# Altium PCB PCB_Project.PcbDoc (part 2 of 4)
Units mm, origin at the board's own origin, x right, y up, seen from the top; angles counter-clockwise.
Board outline 170.43 x 170.05 mm, 4 copper layers (Top Layer, Inner Layer1, Inner Layer2, Bottom Layer), stack 0.551 mm thick; 181 components, 248 nets, 1695 pads, 510 vias.
Unrouted connection lines stored in the file: 313.
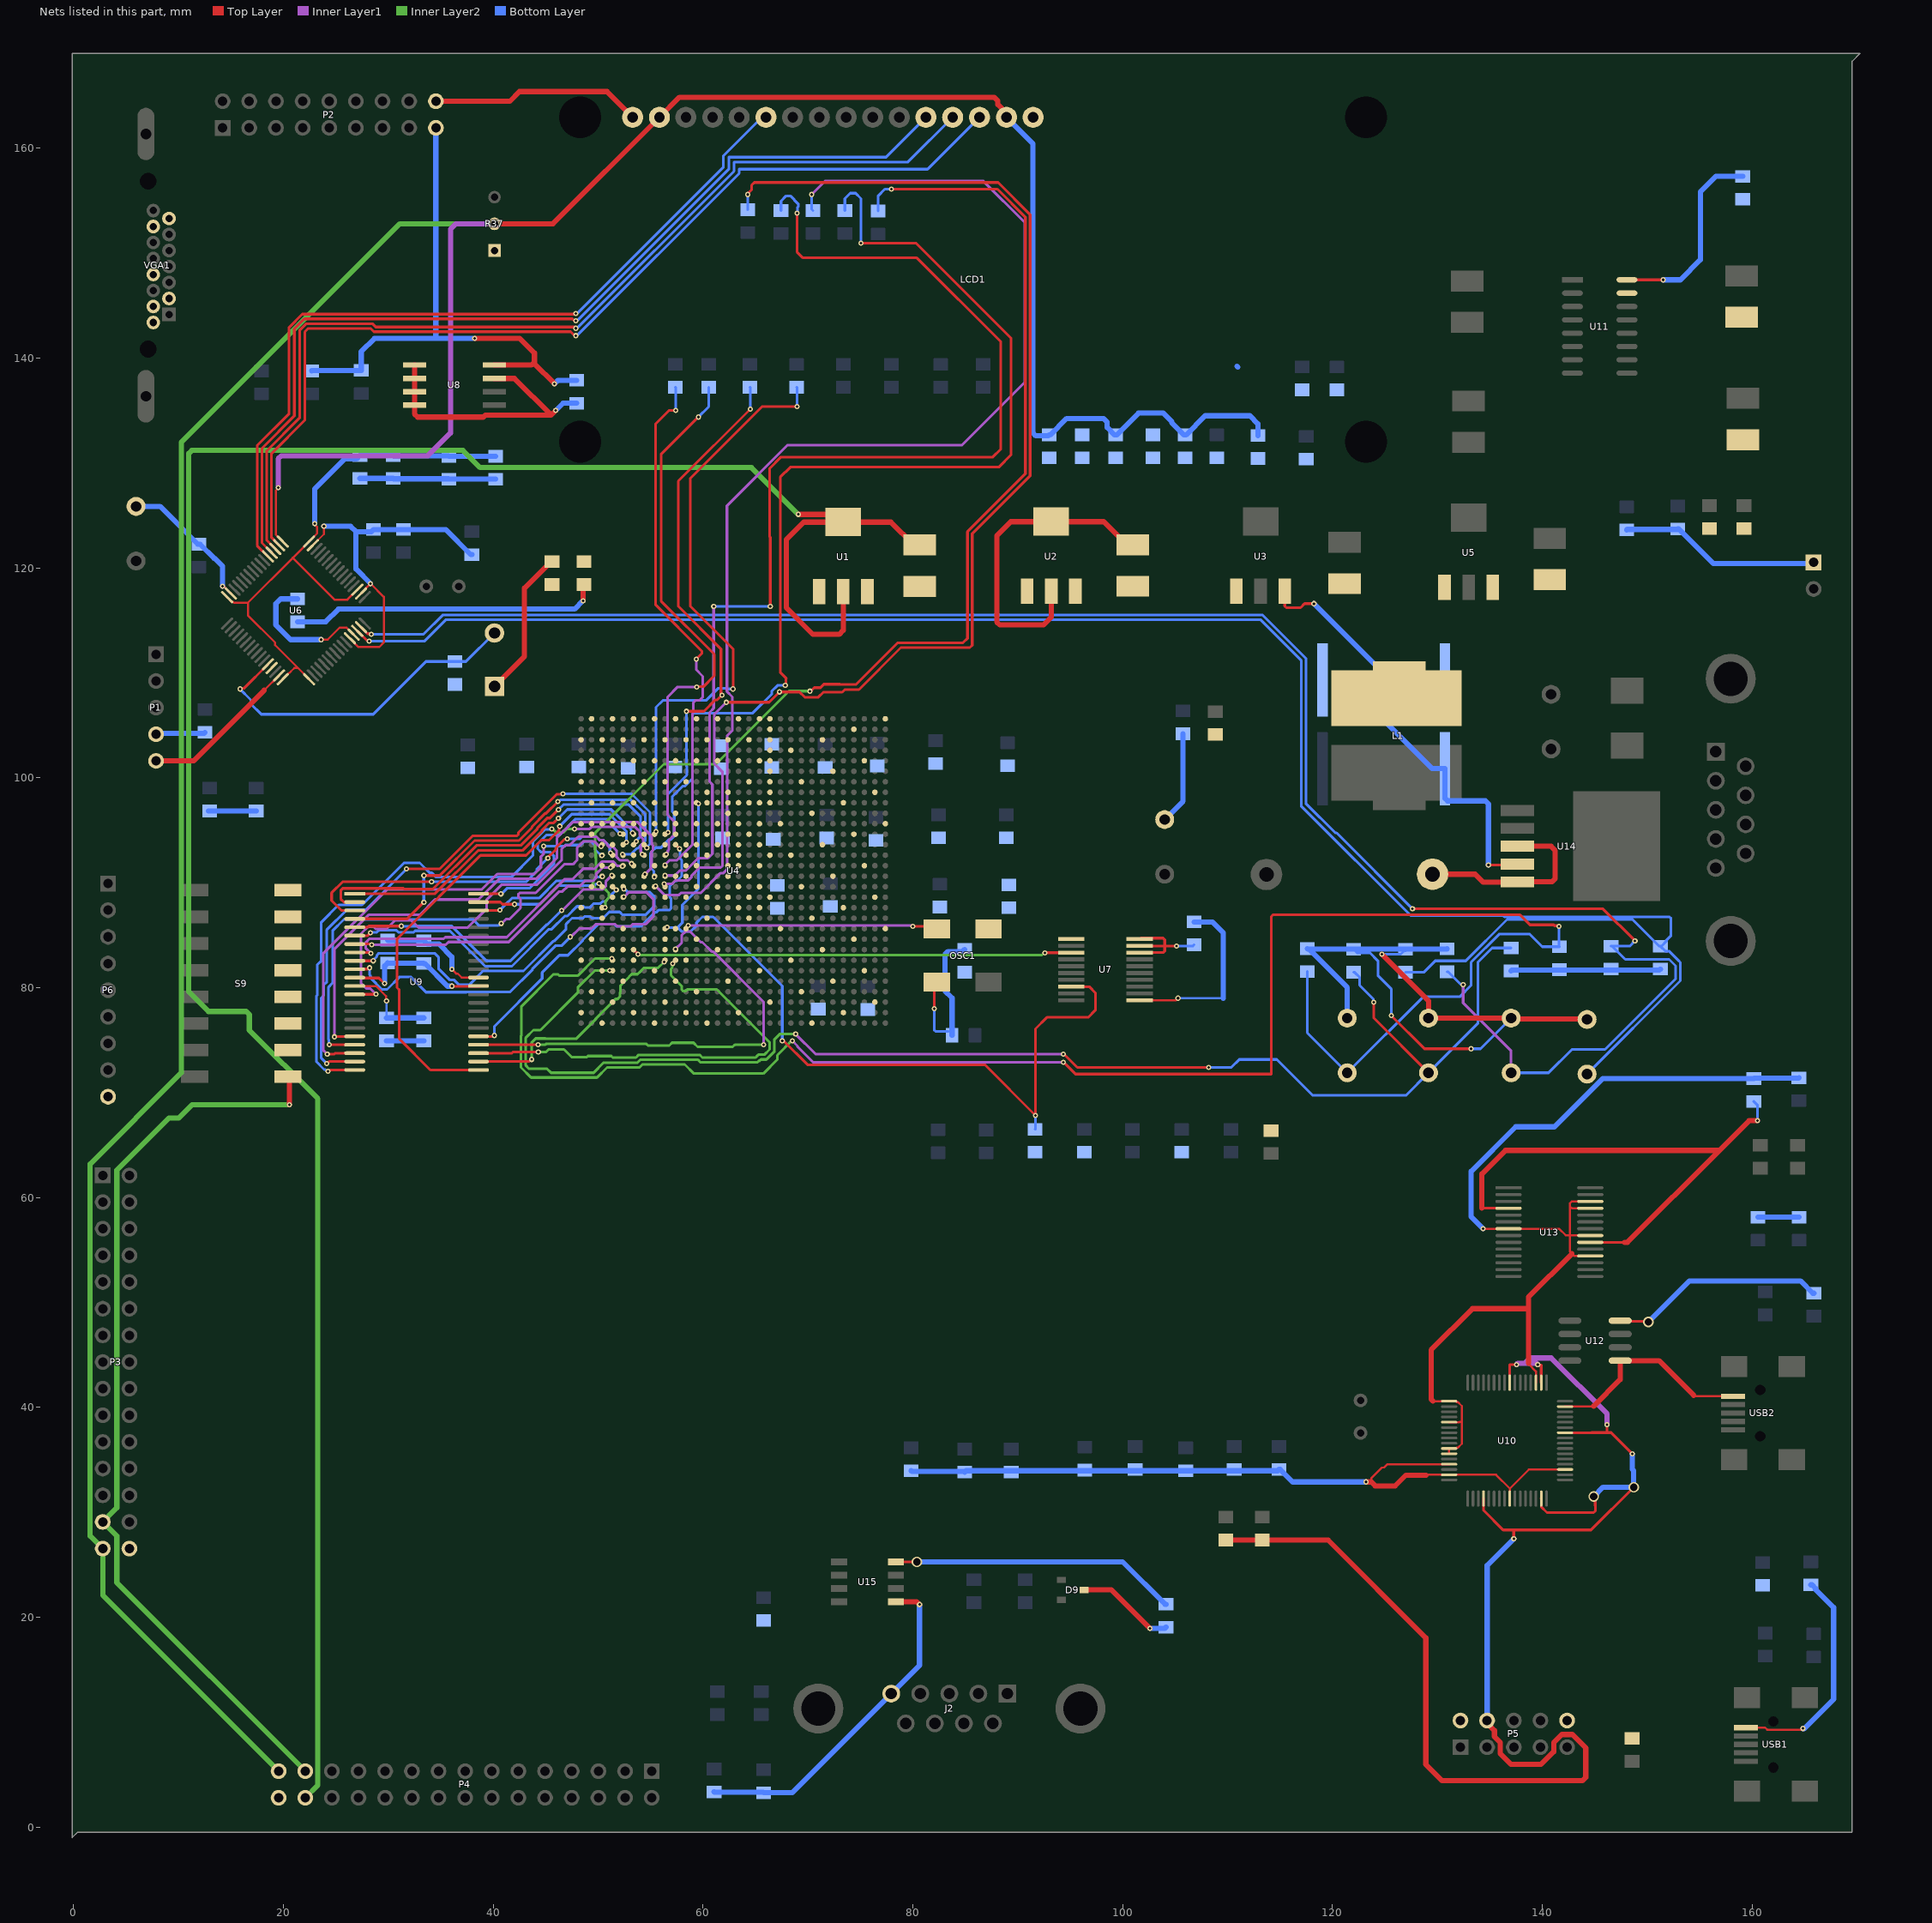
[diagram p4: the nets of this part, all layers, seen from the top]

## Via types
v1: diameter 0.5, hole 0.25, Top Layer to Bottom Layer, 482 vias
v2: diameter 1, hole 0.711, Top Layer to Bottom Layer, 28 vias

## Nets (pads, with @x,y where several pads share a name; then routed paths per layer and width w, separated by ;. In a path a pad name is that pad's centre, name@x,y a point inside that pad or via, vN(x,y) a via of type N, cw(c..) or ccw(c..) an arc to the next point about the centre after c; other vN are vias at no path point) (continued)
2V5: C1.1 C5.2 D1.1 P4.28 U1.2 | length 232.2
  Top Layer w0.5: v1(69.088,125.095) 72.635,125.095 U1.2@73.372,124.358 ; U1.2@73.372,117.729 73.372,114.051 72.986,113.665 70.485,113.665 67.945,116.205 67.945,122.682 69.621,124.358 U1.2@73.372,124.358 ; C1.1@80.645,122.174 80.095,122.174 77.911,124.358 U1.2@73.372,124.358
  Inner Layer2 w0.5: P4.28@22.098,2.794 23.298,3.994 23.298,69.412 16.764,75.946 16.764,77.431 16.471,77.724 12.866,77.724 10.987,79.603 10.987,130.898 11.28,131.191 37.136,131.191 38.768,129.559 64.624,129.559 v1(69.088,125.095)
3V3: C2.1 C7.2 C11.2 C14.2 C17.1 C18.1 C19.2 C20.2 C21.2 C22.1 C23.1 C24.1 C25.1 C27.1 C28.2 C30.1 C35.2 C36.2 C37.2 C38.2 C44.1 C52.1 D2.1 F1.1 F3.2 F4.1 OSC1.4 P1.4 P2.17 P3.27 P4.27 P5.4 R15.1 R17.1 R25.2 R27.2 R28.2 R31.2 R34.1 R36.1 R40.2 R44.2 R48.1 S1.2 S2.2 S3.2 S4.2 S5.1 S9.9 S9.10 S9.11 S9.12 S9.13 S9.14 S9.15 S9.16 U2.2 U4.AA16 U4.AA26 U4.AB13 U4.AB23 U4.AC30 U4.AD17 U4.AD27 U4.AE14 U4.AE24 U4.AF21 U4.AG18 U4.AG28 U4.AH15 U4.AH25 U4.AJ12 U4.AJ22 U4.AK19 U4.AK29 U4.R9 U4.T9 U4.U9 U4.V9 U4.W22 U4.Y13 U4.Y15 U4.Y29 U6.1 U6.19 U6.32 U6.48 U6.64 U7.18 U7.19 U7.20 U8.8 U9.11 U9.33 U10.20 U10.31 U10.42 U10.50 U10.56 U11.16 | length 530
  Top Layer w0.2: U6.48@14.651,117.206 15.12,116.737 15.226,116.737 15.288,116.675 16.63,116.675 ; U6.64@19.954,109.393 19.967,109.393 20.587,110.012 20.614,110.012 20.731,110.129 21.062,110.46 21.396,110.46 ; U6.1@22.464,109.393 21.396,110.46 ; v1(22.987,124.206) 22.987,124.125 23.224,123.888 23.224,123.27 U6.32@22.464,122.509 20.907,120.952 ; U6.19@27.06,117.913 26.114,116.967 24.892,116.967 20.907,120.952 ; 16.63,116.675 16.63,115.466 19.219,112.877 19.219,112.638 21.396,110.46 ; 16.63,116.675 20.907,120.952
  Top Layer w0.254: U9.11@26.924,80.925 26.937,80.912 29.108,80.912 29.614,80.406 v1(29.674,80.406) ; v1(36.068,80.137) 36.074,80.131 38.718,80.131 U9.33@38.724,80.125 ; v1(82.042,77.978) OSC1.4@82.042,80.264 ; U7.18@101.627,83.337 103.864,83.337 104.013,83.486 104.013,83.967 ; U7.19@101.627,83.987 101.647,83.967 104.013,83.967 ; U7.20@101.754,84.712 103.864,84.712 104.013,84.563 104.013,83.967 ; v1(105.156,83.947) 105.136,83.967 104.013,83.967 ; v1(125.603,77.343) 128.778,74.168 v1(133.223,74.168) ; U10.20@134.402,31.305 134.402,30.19 136.271,28.321 137.287,28.321 ; U10.56@136.902,42.355 136.902,44.065 137.537,44.065 v1(137.541,44.069) ; v1(137.287,27.471) 137.287,28.321 ; v1(139.573,44.069) 139.619,44.023 139.902,44.023 U10.50@139.902,42.355 ; U10.31@139.902,31.305 139.904,31.303 139.904,30.514 140.446,29.972 144.907,29.972 145.056,30.121 145.056,30.633 145.05,30.639 145.05,31.353 v2(144.907,31.496) ; U10.42@142.177,37.58 144.685,37.58 144.697,37.592 146.177,37.592 ; v1(146.177,38.354) 146.177,37.592 ; U11.16@148.075,147.447 v1(151.511,147.447) ; v1(148.59,35.56) 146.558,37.592 146.177,37.592 ; v2(148.717,32.385) 144.653,28.321 137.287,28.321
  Top Layer w0.5: S9.9@20.447,71.501 20.574,71.374 v1(20.574,68.834) ; v1(38.227,141.859) 42.545,141.859 43.942,140.462 43.942,139.612 ; U8.8@40.128,139.319 43.649,139.319 43.942,139.612 ; S5.1@40.132,108.712 42.988,111.568 42.988,118.068 45.518,120.599 F1.1@45.618,120.599 ; v1(45.847,137.541) 43.942,139.446 43.942,139.612 ; U2.2@93.201,117.768 93.201,115.299 92.456,114.554 88.304,114.554 88.011,114.847 88.011,123.063 89.345,124.397 U2.2@93.201,124.397 98.203,124.397 100.417,122.183 C2.1@100.967,122.183 ; F4.1@109.83,27.356 F3.2@113.309,27.356 119.583,27.356 128.905,18.034 128.905,5.969 130.429,4.445 143.852,4.445 144.145,4.738 144.145,7.539 142.864,8.82 141.87,8.82 141.097,8.047 141.097,7.193 139.873,5.969 137.033,5.969 135.986,7.016 135.986,8.078 135.44,8.624 135.44,9.196 134.747,9.889 P5.4@134.747,10.16 ; v1(124.714,83.185) 129.159,78.74 S2.2@129.159,77.089 S3.2@137.033,77.089 137.096,77.025 144.208,77.025 S4.2@144.272,76.962
  Inner Layer1 w0.5: v1(137.541,44.069) 137.668,44.196 138.342,44.196 ; v1(139.573,44.069) 139.446,44.196 138.342,44.196 ; v1(146.177,38.354) 146.177,39.379 140.852,44.704 138.85,44.704 138.342,44.196
  Inner Layer2 w0.5: v1(20.574,68.834) 11.303,68.834 10.033,67.564 9.098,67.564 4.134,62.6 4.134,30.423 P3.27@2.794,29.083 4.134,27.743 4.134,23.298 P4.27@22.098,5.334
  Bottom Layer w0.254: v1(82.042,77.978) 82.042,75.968 82.191,75.819 R44.2@83.388,75.819 ; v1(105.156,83.947) 106.68,83.947 C20.2@106.807,84.074 ; C18.1@122.022,83.642 122.352,83.312 123.571,83.312 124.333,82.55 124.333,81.153 125.603,79.883 v1(125.603,77.343) ; v1(124.714,83.185) 126.517,83.185 C27.1@126.975,83.642 ; v1(133.223,74.168) 134.112,74.168 S3.2@137.033,77.089
  Bottom Layer w0.5: P1.4@7.874,104.14 7.963,104.229 12.459,104.229 R31.2@12.548,104.318 ; R15.1@12.879,96.825 R15.1@12.979,96.825 R17.1@17.424,96.825 ; R36.1@22.708,138.76 22.733,138.786 27.407,138.786 R34.1@27.432,138.811 27.432,140.606 28.685,141.859 34.544,141.859 ; v1(22.987,124.206) 22.987,127.508 25.855,130.376 26.973,130.376 C21.2@27.305,130.708 C22.1@30.48,130.708 30.518,130.67 35.75,130.67 C23.1@35.789,130.632 C24.1@40.234,130.632 ; v1(29.674,80.406) 29.674,82.074 C38.2@29.947,82.347 29.972,82.321 33.376,82.321 C37.2@33.401,82.296 33.501,82.296 35.66,80.137 v1(36.068,80.137) ; C35.2@29.845,74.93 C36.2@33.401,74.93 ; P2.17@34.544,161.925 34.544,141.859 ; v1(38.227,141.859) 34.544,141.859 ; v1(45.847,137.541) 46.177,137.871 C30.1@47.981,137.871 ; R44.2@83.744,75.463 83.744,79.012 83.058,79.698 83.058,83.146 83.351,83.439 84.734,83.439 C52.1@84.938,83.642 ; 110.909,139.205 110.973,139.141 ; C17.1@117.602,83.718 117.64,83.68 C17.1@117.74,83.68 ; S1.2@121.412,77.089 121.412,80.008 C17.1@117.74,83.68 ; C25.1@130.937,83.693 130.912,83.668 127,83.668 C27.1@126.975,83.642 126.936,83.68 C17.1@117.74,83.68 ; P5.4@134.747,10.16 134.747,24.931 v1(137.287,27.471) ; v2(144.907,31.496) 145.796,32.385 v2(148.717,32.385) 148.717,33.977 148.59,34.104 v1(148.59,35.56) ; v1(151.511,147.447) 153.162,147.447 155.067,149.352 155.067,155.829 156.54,157.302 C44.1@159.106,157.302
3V3A: C26.2 F1.2 U6.13 | length 13
  Top Layer w0.2: v1(23.622,113.157) 24.234,113.157 25.377,114.3 26.028,114.3 26.693,113.635 U6.13@26.707,113.635
  Bottom Layer w0.5: C26.2@21.361,117.043 19.761,117.043 19.304,116.586 19.304,114.554 20.701,113.157 v1(23.622,113.157)
5V: C72.1 U15.8 | length 27.4
  Top Layer w0.254: U15.8@78.404,25.273 v2(80.391,25.273)
  Bottom Layer w0.5: v2(80.391,25.273) 100.001,25.273 104.04,21.234 C72.1@104.14,21.234
A0: U4.AE12 U9.1 | length 31.1
  Top Layer w0.254: U9.1@26.808,88.95 34.467,88.95 38.573,93.056 42.791,93.056 44.674,94.939 44.674,95.02 45.354,95.7 45.775,95.7 46.214,96.139 v1(46.228,96.139) ; v1(53.302,94.726) 53.302,94.702 U4.AE12@53.389,94.615
  Bottom Layer w0.254: v1(46.228,96.139) 47.063,96.974 51.26,96.974 53.159,95.075 53.159,94.936 53.302,94.792 v1(53.302,94.726)
A1: U4.AE13 U9.2 | length 37.7
  Top Layer w0.254: U9.2@26.808,88.15 25.777,88.15 25.481,88.446 25.481,89.26 25.673,89.452 31.452,89.452 31.496,89.408 34.283,89.408 38.427,93.552 42.645,93.552 44.22,95.127 44.22,95.208 45.166,96.154 45.421,96.154 v1(46.229,96.962) ; U4.AE13@53.389,93.615 53.389,93.645 53.637,93.893 v1(53.637,93.923)
  Bottom Layer w0.254: v1(46.229,96.962) 46.695,97.428 52.947,97.428 54.049,96.326 54.049,94.401 53.637,93.989 v1(53.637,93.923)
A2: U4.AG14 U9.3 | length 33.6
  Top Layer w0.254: U9.3@26.808,87.35 25.553,87.35 24.616,88.287 24.616,89.038 25.652,90.074 v1(34.132,90.074) ; v1(45.212,92.329) 45.212,92.395 45.96,93.143 45.96,93.286 46.819,94.145 47.07,94.145 v1(47.084,94.159) ; v1(51.181,92.837) 51.181,92.83 51.389,92.622 U4.AG14@51.389,92.615
  Bottom Layer w0.254: v1(34.132,90.074) 43.149,90.074 44.157,91.081 44.157,91.274 v1(45.212,92.329) ; v1(47.084,94.159) 48.249,94.159 48.466,94.376 49.842,94.376 50.18,94.038 50.531,94.038 51.134,93.435 51.134,92.884 v1(51.181,92.837)
A3: U4.AF14 U9.4 | length 39.8
  Top Layer w0.254: U9.4@26.808,86.55 31.813,86.55 v1(33.401,88.138) ; v1(33.401,90.678) 34.911,90.678 38.239,94.006 42.457,94.006 43.718,95.266 43.718,95.348 44.978,96.608 45.059,96.608 v1(46.171,97.72) ; v1(52.335,92.71) 52.335,92.669 U4.AF14@52.389,92.615
  Bottom Layer w0.254: v1(33.401,88.138) v1(33.401,90.678) ; v1(46.171,97.72) 46.237,97.72 46.399,97.882 53.135,97.882 54.503,96.514 54.503,93.975 54.074,93.546 54.074,93.544 53.808,93.278 53.721,93.278 53.153,92.71 v1(52.335,92.71)
A4: U4.AG16 U9.5 | length 29.7
  Top Layer w0.254: U9.5@26.808,85.75 26.826,85.768 28.056,85.768 28.145,85.857 v1(31.237,85.857) ; v1(51.308,90.689) 51.382,90.615 U4.AG16@51.389,90.615
  Inner Layer1 w0.254: v1(46.529,87.354) 46.594,87.354 48.593,89.353 50.201,89.353 50.208,89.361 50.458,89.361 50.731,89.634 50.731,90.101 51.308,90.678 v1(51.308,90.689)
  Bottom Layer w0.254: v1(31.237,85.857) 31.242,85.852 32.368,85.852 32.378,85.861 36.059,85.861 39.37,82.55 41.661,82.55 45.125,86.014 45.189,86.014 v1(46.529,87.354)
A5: U4.AD16 U9.18 | length 51.4
  Top Layer w0.254: v1(24.892,75.311) 24.913,75.332 26.79,75.332 U9.18@26.808,75.35 ; U4.AD16@54.389,90.615 54.389,90.711 v1(54.483,90.805)
  Inner Layer1 w0.254: v1(24.892,75.311) 24.892,83.686 28.138,86.931 33.01,86.931 34.471,88.392 38.608,88.392 40.581,90.365 44.107,90.365 46.08,92.338 46.08,94.267 47.57,95.757 53.795,95.757 55.113,94.439 55.113,93.678 55.228,93.563 55.228,93.073 55.103,92.949 55.103,91.425 v1(54.483,90.805)
A6: U4.AH13 U9.19 | length 45.2
  Top Layer w0.254: v1(24.384,74.549) U9.19@26.808,74.55 ; v1(50.292,93.461) 50.389,93.558 U4.AH13@50.389,93.615
  Inner Layer1 w0.254: v1(40.767,86.106) 40.805,86.106 41.232,86.533 41.568,86.533 42.616,87.581 42.616,88.448 42.396,88.668 42.396,88.878 42.545,89.027 44.053,89.027 46.778,91.752 47.61,91.752 48.006,92.148 48.006,93.345 48.583,93.922 49.654,93.922 50.068,93.508 50.245,93.508 v1(50.292,93.461)
  Bottom Layer w0.254: v1(24.384,74.549) 24.337,74.596 24.337,75.05 24.315,75.072 24.315,80.047 24.707,80.439 24.707,85.413 25.781,86.487 38.1,86.487 38.677,85.91 40.504,85.91 40.7,86.106 v1(40.767,86.106)
A7: U4.AH14 U9.20 | length 45.2
  Top Layer w0.254: v1(24.199,73.66) 24.867,73.66 24.957,73.75 U9.20@26.808,73.75 ; v1(50.361,92.589) 50.363,92.589 U4.AH14@50.389,92.615
  Inner Layer1 w0.254: v1(24.199,73.66) 24.197,73.66 23.807,74.05 23.807,83.243 29.912,89.348 38.922,89.348 40.393,90.819 43.919,90.819 44.558,91.459 44.558,92.491 44.831,92.764 v1(44.831,93.472)
  Bottom Layer w0.254: v1(44.831,93.472) 46.809,93.472 46.919,93.582 48.314,93.582 48.654,93.922 49.377,93.922 49.715,93.584 49.715,93.36 49.715,93.165 49.885,92.995 49.888,92.995 50.294,92.589 v1(50.361,92.589)
A8: U4.AD13 U9.21 | length 56.9
  Top Layer w0.254: v1(24.13,72.771) 24.197,72.771 24.376,72.95 U9.21@26.808,72.95 ; v1(31.75,91.313) 34.904,91.313 38.051,94.46 42.269,94.46 42.418,94.609 42.418,94.783 46.046,98.412 46.609,98.412 v1(46.656,98.459) ; U4.AD13@54.389,93.615 54.389,93.592 54.651,93.33 v1(54.651,93.307)
  Bottom Layer w0.254: v1(24.13,72.771) 23.622,73.279 23.622,79.015 23.861,79.254 23.861,80.235 24.13,80.504 24.13,85.478 26.082,87.43 27.867,87.43 v1(31.75,91.313) ; v1(46.656,98.459) 53.2,98.459 54.957,96.702 54.957,93.68 54.651,93.374 v1(54.651,93.307)
A9: U4.AD14 U9.22 | length 56.7
  Top Layer w0.254: v1(24.257,72.009) 24.324,72.009 24.465,72.15 U9.22@26.808,72.15 ; v1(54.229,92.71) 54.324,92.615 U4.AD14@54.389,92.615
  Inner Layer1 w0.254: v1(47.752,95.123) 49.204,95.123 49.384,95.303 53.541,95.303 53.721,95.123 53.975,94.869 53.975,94.488 54.292,94.171 54.292,93.765 54.074,93.546 54.074,92.932 54.229,92.777 v1(54.229,92.71)
  Inner Layer2 w0.254: v1(45.593,95.123) 45.66,95.123 45.983,94.8 46.739,94.8 47.062,95.123 v1(47.752,95.123)
  Bottom Layer w0.254: v1(24.257,72.009) 24.19,72.009 24.005,72.194 23.891,72.194 23.168,72.917 23.168,79.203 23.228,79.263 23.228,82.156 23.622,82.55 23.622,86.233 25.273,87.884 27.505,87.884 31.511,91.89 33.005,91.89 33.963,90.932 34.163,90.932 34.567,90.528 41.73,90.528 43.8,92.598 43.8,93.899 44.977,95.076 45.546,95.076 v1(45.593,95.123)
A10: U4.AF13 U9.23 | length 47.1
  Top Layer w0.254: U9.23@38.608,72.15 34.022,72.15 31.057,75.115 31.057,79.773 30.842,79.988 30.842,84.645 38.799,92.602 43.145,92.602 44.592,94.049 45.335,94.049 46.308,95.022 46.308,95.33 v1(46.355,95.377) ; U4.AF13@52.389,93.615 U4.AF13@52.428,93.615
  Bottom Layer w0.254: v1(46.355,95.377) 47.498,96.52 51.072,96.52 52.705,94.887 v1(52.705,93.853)
A11: U4.AB24 U9.24 | length 23.4
  Top Layer w0.254: U9.24@38.608,72.95 43.419,72.95 43.621,73.152 v1(43.688,73.152) ; v1(56.299,82.448) 56.389,82.538 U4.AB24@56.389,82.615
  Inner Layer2 w0.254: v1(43.688,73.152) 43.688,74.784 44.052,75.147 44.989,75.147 45.021,75.115 47.915,75.115 49.784,76.984 49.784,77.027 51.671,78.915 51.864,78.915 52.091,79.142 52.091,79.526 52.139,79.574 52.139,80.181 52.959,81.001 52.959,81.026 53.213,81.28 53.775,81.28 54.029,81.534 54.029,81.535 54.367,81.873 55.724,81.873 v1(56.299,82.448)
A12: U4.AA24 U9.25 | length 43.5
  Top Layer w0.254: U9.25@38.608,73.75 41.779,73.75 41.878,73.849 v1(44.312,73.849) ; v1(57.13,82.281) 57.13,82.319 57.389,82.578 U4.AA24@57.389,82.615
  Inner Layer2 w0.254: v1(44.312,73.849) 45.027,73.849 45.29,74.112 46.754,74.112 47.489,73.378 48.953,73.378 49.05,73.475 51.263,73.475 51.401,73.337 53.614,73.337 53.868,73.59 59.692,73.59 59.945,73.337 65.017,73.337 65.159,73.479 65.162,73.479 65.289,73.606 65.859,73.606 66.363,74.11 66.363,74.788 61.337,79.814 58.503,79.814 58.34,79.652 58.13,79.652 57.981,79.8 57.981,80.141 56.954,81.168 56.954,81.773 57.083,81.902 57.083,82.234 v1(57.13,82.281)
A13: U4.AA23 U9.26 | length 44.1
  Top Layer w0.254: U9.26@38.608,74.55 38.618,74.56 44.28,74.56 v1(44.291,74.57) ; U4.AA23@57.389,83.615 v1(57.389,83.682)
  Inner Layer1 w0.254: v1(57.389,83.682) 57.981,84.274 57.981,84.995 58.319,85.333 58.797,85.333 59.802,84.328 59.944,84.328 60.833,83.439 60.974,83.439 65.786,78.627 v1(65.786,74.549)
  Inner Layer2 w0.254: v1(44.291,74.57) 44.312,74.549 44.959,74.549 45.039,74.629 54.614,74.629 54.763,74.48 56.8,74.48 57.065,74.744 59.102,74.744 59.494,74.353 62.839,74.353 63.035,74.549 v1(65.786,74.549)
A14: U4.AA13 U9.27 | length 31.4
  Top Layer w0.254: U9.27@38.608,75.35 39.977,75.35 40.065,75.438 v1(40.132,75.438) ; U4.AA13@57.389,93.615 v1(57.785,93.218)
  Bottom Layer w0.254: v1(40.132,75.438) 40.132,76.32 44.678,80.866 44.678,81.435 46.318,83.075 47.141,83.075 48.534,84.468 48.534,84.529 50.053,86.048 51.547,86.048 51.771,85.824 54.067,85.824 55.419,87.176 55.56,87.176 55.76,87.376 56.801,87.376 56.95,87.525 56.95,88.524 56.827,88.647 56.827,89.647 57.35,90.17 57.531,90.17 57.981,90.62 57.981,92.142 57.807,92.316 57.807,93.196 v1(57.785,93.218)
A15: U4.AH16 U9.42 | length 13.1
  Top Layer w0.254: U9.42@38.608,87.35 38.621,87.363 40.627,87.363 v1(40.64,87.376)
  Bottom Layer w0.254: v1(40.64,87.376) 41.154,87.89 41.173,87.89 41.802,88.519 44.382,88.519 46.046,90.184 49.475,90.184 49.838,90.546 50.357,90.546 v1(50.404,90.593)
A16: U4.AH17 U9.43 | length 12.8
  Top Layer w0.254: U9.43@38.608,88.15 40.688,88.15 40.896,87.942 42.037,87.942 v1(42.039,87.94) ; v1(50.115,89.93) 50.115,89.91 50.389,89.635 U4.AH17@50.389,89.615
  Bottom Layer w0.254: v1(42.039,87.94) 42.041,87.942 44.447,87.942 46.234,89.73 49.664,89.73 49.817,89.883 50.068,89.883 v1(50.115,89.93)
A17: U4.AF12 U9.44 | length 21.3
  Top Layer w0.254: U9.44@38.608,88.95 40.728,88.95 v1(40.751,88.927) ; v1(52.103,94.655) 52.123,94.635 52.369,94.635 U4.AF12@52.389,94.615
  Bottom Layer w0.254: v1(40.751,88.927) 40.809,88.927 41.363,89.481 43.507,89.481 45.789,91.763 45.789,92.568 45.451,92.906 45.081,92.906 45.07,92.895 44.592,92.895 44.254,93.233 44.254,93.711 45.089,94.546 46.34,94.546 47.86,96.066 50.866,96.066 51.461,95.471 51.461,95.297 v1(52.103,94.655)
BLUE0: R7.2 U4.AC16 | length 107.7
  Top Layer w0.254: v1(55.372,90.551) 55.389,90.568 U4.AC16@55.389,90.615 ; v1(67.849,108.798) 67.896,108.845 67.896,109.425 67.945,109.474 67.368,110.051 67.368,128.636 68.326,129.594 88.199,129.594 89.354,130.749 89.354,141.913 80.322,150.945 v1(75.057,150.945)
  Bottom Layer w0.254: v1(55.372,90.551) 55.325,90.598 55.325,91.106 54.991,91.44 54.991,92.831 55.182,93.022 55.182,93.027 55.494,93.34 56.002,93.34 56.769,94.107 56.932,94.107 57.265,94.44 57.265,96.577 57.081,96.761 57.081,98.207 58.061,99.187 58.272,99.187 58.998,99.914 58.998,106.008 59.147,106.157 64.755,106.157 66.548,107.95 66.548,108.235 67.111,108.798 v1(67.849,108.798) ; R7.2@73.533,154.051 73.533,155.194 74.041,155.702 74.549,155.702 75.057,155.194 v1(75.057,150.945)
BLUE1: R4.2 U4.AC17 | length 115.9
  Top Layer w0.254: U4.AC17@55.389,89.615 55.452,89.615 v1(55.499,89.662)
  Inner Layer1 w0.254: v1(55.499,89.662) 56.33,88.831 57.716,88.831 57.912,89.027 59.795,89.027 61.684,90.916 61.967,90.916 62.303,91.252 62.303,103.984 62.807,104.488 62.807,107.7 62.288,108.219 62.288,125.915 68.072,131.699 84.709,131.699 90.678,137.668 90.678,152.908 86.741,156.845 71.628,156.845 v1(70.358,155.575)
  Bottom Layer w0.254: v1(70.358,155.575) 70.358,154.178 R4.2@70.485,154.051
BLUE2: R3.2 U4.AB16 | length 111.5
  Top Layer w0.254: v1(56.388,90.678) 56.388,90.616 U4.AB16@56.389,90.615 ; v1(66.421,116.332) 66.421,122.912 66.367,122.966 66.367,129.479 67.444,130.556 87.63,130.556 88.392,131.318 88.392,141.533 80.388,149.537 69.538,149.537 68.961,150.114 v1(68.961,153.797)
  Inner Layer1 w0.254: v1(56.388,90.678) 57.331,90.678 57.812,91.159 58.393,91.159 59.563,92.329 60.484,92.329 60.902,92.747 60.902,99.355 60.633,99.624 60.633,106.233 61.029,106.629 v1(61.029,116.332)
  Bottom Layer w0.254: v1(61.029,116.332) v1(66.421,116.332) ; R3.2@67.437,154.051 67.437,154.94 67.945,155.448 68.326,155.448 69.088,154.686 69.088,154.432 69.008,154.352 69.008,153.844 v1(68.961,153.797)
BLUE3: R1.2 U4.AB17 | length 122.9
  Top Layer w0.254: v1(56.302,89.886) 56.345,89.842 56.345,89.659 U4.AB17@56.389,89.615 ; v1(62.23,107.188) 66.317,107.188 v1(67.304,108.175) 69.201,108.175 69.703,107.673 71.007,107.673 71.48,108.146 73.275,108.146 73.529,108.4 74.872,108.4 78.867,112.395 85.449,112.395 85.671,112.617 85.671,123.256 91.186,128.771 91.186,153.67 88.138,156.718 64.897,156.718 64.643,156.464 64.643,156.023 64.262,155.642 v1(64.262,155.575)
  Inner Layer1 w0.254: v1(56.302,89.886) 57.066,89.886 57.404,90.224 58.601,90.224 58.928,90.551 58.928,90.678 59.69,91.44 61.7,91.44 61.849,91.589 61.849,100.584 61.087,101.346 61.087,106.045 v1(62.23,107.188)
  Bottom Layer w0.254: v1(64.262,155.575) 64.262,154.153 R1.2@64.287,154.127
BOOT0: R32.2 S5.2 U6.60 | length 32.3
  Top Layer w0.254: v1(15.875,108.458) 15.922,108.505 16.238,108.505 U6.60@18.54,110.807
  Bottom Layer w0.254: v1(15.875,108.458) 16.915,107.418 16.915,107.037 17.907,106.045 28.575,106.045 33.604,111.074 R32.2@36.347,111.074 37.414,111.074 S5.2@40.132,113.792
BUT_RISE1: C17.2 R22.2 S1.1 U4.AG24 | length 175.9
  Top Layer w0.254: v1(51.308,82.769) 51.308,82.696 U4.AG24@51.389,82.615 ; v1(94.361,72.898) 95.504,71.755 114.173,71.755 114.173,86.777 114.322,86.926 137.883,86.926 138.83,85.979 141.097,85.979 141.177,85.899 141.558,85.899 v1(141.605,85.852)
  Inner Layer1 w0.254: v1(68.521,74.939) 69.019,74.441 69.019,74.364 70.485,72.898 v1(94.361,72.898)
  Inner Layer2 w0.254: v1(51.308,82.769) 49.716,82.769 48.1,81.153 46.3,81.153 46.204,81.249 45.726,81.249 42.704,78.228 42.704,75.456 42.657,75.408 42.657,72.398 43.627,71.428 49.9,71.428 50.868,72.396 53.957,72.396 54.244,72.682 58.266,72.682 59.143,71.805 65.754,71.805 67.088,73.139 67.088,73.551 68.476,74.939 v1(68.521,74.939)
  Bottom Layer w0.254: C17.2@117.602,81.534 117.602,75.692 S1.1@121.412,71.882 128.651,79.121 132.134,79.121 133.223,80.21 133.223,82.416 135.897,85.09 138.811,85.09 140.005,83.896 R22.2@141.63,83.896 141.605,83.922 v1(141.605,85.852)
BUT_RISE2: C18.2 R23.2 S2.1 U4.AG25 | length 135.3
  Top Layer w0.254: v1(51.104,81.615) U4.AG25@51.389,81.615 ; v1(94.361,73.66) 94.415,73.66 95.685,72.39 v1(108.204,72.39) ; v1(123.952,78.613) 123.952,77.089 S2.1@129.159,71.882
  Inner Layer1 w0.254: v1(68.834,75.565) 70.739,73.66 v1(94.361,73.66)
  Inner Layer2 w0.254: v1(51.104,81.615) 49.684,81.615 48.079,80.01 48.079,79.521 44.504,75.946 43.837,75.946 43.111,75.22 43.111,72.586 43.434,72.263 45.149,72.263 45.53,71.882 49.578,71.882 50.546,72.85 53.769,72.85 54.056,73.136 59.504,73.136 59.757,72.883 65.205,72.883 65.347,73.025 65.405,73.025 65.532,73.152 66.047,73.152 66.817,73.922 66.817,75.072 67.31,75.565 v1(68.834,75.565)
  Bottom Layer w0.254: v1(108.204,72.39) 110.363,72.39 111.125,73.152 114.703,73.152 118.132,69.723 127,69.723 S2.1@129.159,71.882 133.858,76.581 133.858,82.409 135.218,83.769 R23.2@137.033,83.769 ; C18.2@122.022,81.458 122.122,81.458 122.595,80.985 122.595,80.224 123.905,78.914 123.905,78.66 v1(123.952,78.613)
BUT_RISE3: C27.2 R30.2 S4.1 U6.14 | length 193.8
  Top Layer w0.254: U6.14@27.06,113.989 27.995,113.054 28.147,113.054 v1(28.194,113.007)
  Bottom Layer w0.254: v1(28.194,113.007) 33.437,113.007 35.474,115.044 113.168,115.044 117.021,111.191 117.021,97.301 127.454,86.868 136.271,86.868 136.398,86.741 152.124,86.741 152.273,86.592 152.273,84.963 151.83,84.52 151.83,84.42 151.357,83.947 R30.2@151.257,83.947 ; C27.2@126.975,81.458 128.702,81.458 129.794,82.55 132.715,82.55 136.652,86.487 148.617,86.487 151.157,83.947 R30.2@151.257,83.947 ; S4.1@144.272,71.755 153.162,80.645 153.162,82.401 153.013,82.55 152.089,83.474 151.73,83.474 R30.2@151.257,83.947
BUT_RISE4: C25.2 R29.2 S3.1 U6.15 | length 185.7
  Top Layer w0.254: U6.15@27.414,114.342 27.417,114.342 28.03,113.729 28.332,113.729 v1(28.379,113.682) ; v1(127.635,87.503) 145.796,87.503 v1(148.844,84.455)
  Inner Layer1 w0.254: v1(132.461,80.264) 132.461,78.535 137.033,73.963 S3.1@137.033,71.882
  Bottom Layer w0.254: v1(28.379,113.682) 33.381,113.682 35.197,115.498 113.356,115.498 117.475,111.379 117.475,97.536 120.269,94.742 120.396,94.742 v1(127.635,87.503) ; C25.2@130.937,81.509 131.037,81.509 132.235,80.311 132.414,80.311 v1(132.461,80.264) ; S3.1@137.033,71.882 140.604,71.882 142.83,74.108 145.983,74.108 152.708,80.833 152.708,82.074 152.092,82.69 147.915,82.69 R29.2@146.658,83.947 ; R29.2@146.558,83.947 R29.2@146.658,83.947 ; v1(148.844,84.455) 148.336,83.947 R29.2@146.658,83.947
CE: U4.AG17 U9.6 | length 30.3
  Top Layer w0.254: U9.6@26.808,84.95 28.054,84.95 28.321,85.217 v1(28.321,85.228) ; U4.AG17@51.389,89.615 51.412,89.615 51.722,89.305 v1(51.745,89.305)
  Bottom Layer w0.254: v1(28.321,85.228) 28.357,85.264 28.917,85.264 29.111,85.458 30.782,85.458 30.961,85.28 32.438,85.28 32.566,85.407 35.871,85.407 39.163,82.115 39.177,82.115 39.25,82.042 41.795,82.042 45.313,85.56 45.578,85.56 46.838,86.82 47.08,86.82 47.996,87.736 48.619,87.736 48.732,87.623 49.21,87.623 49.598,88.011 50.238,88.011 50.434,88.207 50.686,88.207 51.271,88.792 51.271,88.832 v1(51.745,89.305)
D4: LCD1.12 U6.36 | length 92.4
  Top Layer w0.254: U6.36@18.893,121.449 17.969,122.373 17.969,131.397 21.058,134.486 21.058,142.778 22.005,143.725 47.565,143.725 47.763,143.527 v1(47.879,143.527)
  Bottom Layer w0.254: v1(47.879,143.527) 47.995,143.527 62.46,157.992 62.46,159.131 77.451,159.131 LCD1.12@81.254,162.934
D5: LCD1.13 U6.35 | length 94
  Top Layer w0.254: U6.35@19.247,121.802 18.423,122.626 18.423,131.144 21.558,134.279 21.558,142.636 22.193,143.271 28.503,143.271 28.824,142.95 47.756,142.95 v1(47.879,142.827)
  Bottom Layer w0.254: v1(47.879,142.827) 47.995,142.827 62.96,157.792 62.96,158.677 79.547,158.677 LCD1.13@83.804,162.934
D6: LCD1.14 U6.34 | length 95.5
  Top Layer w0.254: U6.34@19.6,122.156 19.6,122.159 18.877,122.882 18.877,130.891 22.058,134.072 22.058,142.494 22.381,142.817 28.315,142.817 28.636,142.496 47.394,142.496 47.763,142.127 v1(47.879,142.127)
  Bottom Layer w0.254: v1(47.879,142.127) 47.995,142.127 63.46,157.592 63.46,157.988 81.408,157.988 LCD1.14@86.354,162.934
D7: C4.2 C6.2 C8.2 C12.2 C51.1 C53.1 D8.1 F5.2 L1.2 LCD1.2 LCD1.15 P3.29 P4.29 R37.2 R43.2 R45.2 R46.2 U1.3 U2.3 U3.3 U5.3 U6.33 U12.8 U13.4 U13.20 U14.4 | length 457.4
  Top Layer w0.2: v1(19.54,127.635) 19.54,127.603 19.304,127.368 19.304,123.159 U6.33@19.954,122.509
  Top Layer w0.254: U3.3@115.456,117.768 115.456,116.354 115.605,116.205 116.967,116.205 117.348,116.586 v1(118.237,116.586) ; 134.241,58.997 134.265,58.973 U13.4@136.779,58.973 ; v1(134.874,91.694) 137.559,91.694 U14.4@137.637,91.772 ; U13.20@144.579,55.723 147.852,55.723 ; U12.8@147.434,48.26 147.498,48.197 150.05,48.197 v2(150.114,48.133)
  Top Layer w0.5: R37.2@40.132,152.781 45.701,152.781 LCD1.2@55.854,162.934 57.766,164.846 87.757,164.846 88.111,164.492 88.111,164.158 88.929,163.34 LCD1.15@88.929,162.934 ; 134.241,58.997 134.241,62.232 136.489,64.48 156.882,64.48 ; 147.852,55.723 148.125,55.723 156.882,64.48 ; v1(160.528,67.31) 159.712,67.31 156.882,64.48
  Inner Layer1 w0.5: v1(19.54,127.635) 19.519,127.655 19.519,130.39 19.812,130.683 33.782,130.683 35.941,132.842 35.941,152.273 36.449,152.781 R37.2@40.132,152.781
  Inner Layer2 w0.5: P4.29@19.558,5.334 2.794,22.098 P3.29@2.794,26.543 1.594,27.743 1.594,63.189 10.287,71.882 10.287,131.953 31.115,152.781 R37.2@40.132,152.781
  Bottom Layer w0.254: C53.1@160.172,69.139 160.528,68.783 v1(160.528,67.31)
  Bottom Layer w0.5: LCD1.15@88.929,162.934 91.44,160.423 91.44,132.881 91.733,132.588 92.913,132.588 C4.2@92.989,132.664 93.089,132.664 94.664,134.239 98.171,134.239 98.525,133.885 98.525,133.379 99.239,132.664 C6.2@99.339,132.664 99.439,132.664 101.522,134.747 103.886,134.747 104.69,133.943 104.69,133.818 105.843,132.664 C8.2@105.943,132.664 106.043,132.664 107.872,134.493 112.141,134.493 112.903,133.731 C12.2@112.903,132.613 ; v1(118.237,116.586) 124.968,109.855 124.968,105.41 129.515,100.863 C51.1@130.734,100.863 130.734,98.04 130.984,97.79 134.581,97.79 134.874,97.497 v1(134.874,91.694) ; v2(150.114,48.133) 154.034,52.053 164.61,52.053 165.787,50.876 R43.2@165.887,50.876 ; R46.2@160.553,58.115 R45.2@164.49,58.115
DIN_92: U4.AB22 U7.1
E: LCD1.6 U6.37 | length 77.9
  Top Layer w0.254: U6.37@18.54,121.095 17.515,122.12 17.515,131.65 20.558,134.693 20.558,142.92 21.817,144.179 47.831,144.179 v1(47.879,144.227)
  Bottom Layer w0.254: v1(47.879,144.227) 47.995,144.227 61.96,158.192 61.96,159.273 65.621,162.934 LCD1.6@66.004,162.934
FPGA_CLK: U4.AE23 U7.3 | length 42
  Top Layer w0.254: U4.AE23@53.389,83.615 v1(53.814,83.19) ; v1(92.583,83.312) 92.595,83.324 95.109,83.324 U7.3@95.121,83.337
  Inner Layer2 w0.254: v1(53.814,83.19) 53.881,83.19 53.966,83.105 92.311,83.105 92.518,83.312 v1(92.583,83.312)
FTOU: U4.AF23 U6.61
GND: C1.2 C2.2 C3.2 C4.1 C5.1 C6.1 C7.1 C8.1 C9.1 C10.2 C11.1 C12.1 C13.1 C14.1 C15.1 C16.2 C19.1 C20.1 C21.1 C22.2 C23.2 C24.2 C28.1 C29.2 C30.2 C31.2 C32.2 C33.2 C34.2 C35.1 C36.1 C37.1 C38.1 C39.2 C40.2 C42.2 C44.2 C45.1 C46.2 C47.2 C48.1 C49.2 C50.1 C51.2 C52.2 C53.2 C54.2 C55.1 C56.1 C57.1 C58.1 C59.1 C60.1 C61.1 C62.1 C63.1 C64.1 C65.1 C66.1 C67.1 C68.1 C69.1 C70.1 C71.1 C72.2 C73.2 C74.2 D3.2 D7.1 D9.3 F2.1 J2.5 LCD1.1 LCD1.16 OSC1.2 P1.5 P2.18 P3.30 P4.30 P5.2 P5.10 P6.9 P7.1 R2.1 R5.1 R10.1 R12.2 R16.2 R22.1 R23.1 R29.1 R30.1 R32.1 R37.1 R42.2 R47.2 S6.1 S7.2 U1.1 U2.1 U3.1 U4.A1 U4.A11 U4.A21 U4.AA1 U4.AA5 U4.AA10 U4.AA11 U4.AA12 U4.AA21 U4.AB3 U4.AB7 U4.AB11 U4.AB18 U4.AB28 U4.AC1 U4.AC5 U4.AC9 U4.AC11 U4.AC15 U4.AC25 U4.AD3 U4.AD7 U4.AD11 U4.AD12 U4.AD22 U4.AE1 U4.AE5 U4.AE9 U4.AE11 U4.AE19 U4.AE29 U4.AF3 U4.AF7 U4.AF11 U4.AF16 U4.AF26 U4.AG1 U4.AG5 U4.AG9 U4.AG11 U4.AG13 U4.AG23 U4.AH3 U4.AH7 U4.AH11 U4.AH20 U4.AH30 U4.AJ1 U4.AJ5 U4.AJ9 U4.AJ11 U4.AJ17 U4.AJ27 U4.AK3 U4.AK7 U4.AK11 U4.AK14 U4.AK24 U4.B8 U4.B18 U4.B28 U4.C5 U4.C15 U4.C25 U4.D2 U4.D12 U4.D22 U4.E9 U4.E19 U4.E29 U4.F6 U4.F16 U4.F26 U4.G3 U4.G13 U4.G23 U4.H10 U4.H20 U4.H30 U4.J7 U4.J17 U4.J27 U4.K4 U4.K14 U4.K24 U4.L11 U4.L21 U4.M1 U4.M2 U4.M3 U4.M4 U4.M5 U4.M6 U4.M7 U4.M8 U4.M9 U4.M14 U4.M18 U4.M28 U4.N1 U4.N5 U4.N9 U4.N11 U4.N13 U4.N15 U4.N17 U4.N19 U4.N25 U4.P3 U4.P7 U4.P9 U4.P12 U4.P16 U4.P18 U4.P20 U4.P22 U4.R1 U4.R5 U4.R11 U4.R13 U4.R14 U4.R15 U4.R17 U4.R19 U4.R29 U4.T3 U4.T8 U4.T10 U4.T12 U4.T14 U4.T15 U4.T16 U4.T18 U4.T20 U4.T26 U4.U1 U4.U5 U4.U11 U4.U13 U4.U17 U4.U19 U4.U23 U4.V3 U4.V8 U4.V12 U4.V14 U4.V16 U4.V18 U4.V20 U4.V30 U4.W1 U4.W5 U4.W11 U4.W13 U4.W15 U4.W17 U4.W19 U4.W27 U4.Y3 U4.Y7 U4.Y14 U4.Y16 U4.Y18 U4.Y24 U5.1 U6.12 U6.18 U6.31 U6.47 U6.63 U7.11 U8.1 U8.2 U8.3 U8.4 U8.7 U9.12 U9.34 U10.1 U10.5 U10.10 U10.11 U10.13 U10.15 U10.25 U10.35 U10.47 U10.51 U11.15 U12.5 U13.7 U13.18 U13.21 U13.25 U13.26 U14.3 U14.5 U15.5 USB1.5 USB2.5 VGA1.5 VGA1.6 VGA1.7 VGA1.8 VGA1.10 VGA1.11 | length 482.3
  Top Layer w0.2: v1(14.224,118.24) 14.282,118.182 14.368,118.182 14.991,117.56 U6.47@15.004,117.56 ; 18.185,108.331 U6.63@19.6,109.746 ; U6.31@22.818,122.156 23.876,123.214 v1(23.876,123.952) ; U6.12@26.353,113.282 27.178,112.457 29.148,112.457 29.591,112.9 29.591,117.231 28.331,118.491 v1(28.321,118.491) 28.321,118.479 27.414,117.572 U6.18@27.414,117.56 ; U9.12@26.808,80.15 28.832,80.15 29.788,79.194 29.788,78.797 v1(29.845,78.74) ; v1(36.068,81.745) 36.474,81.339 36.623,81.339 37.012,80.95 U9.34@38.608,80.95 ; U7.11@101.627,78.787 105.076,78.787 v1(105.283,78.994) ; 123.698,32.893 123.698,33.246 124.714,34.262 124.921,34.262 125.239,34.58 U10.13@131.127,34.58 ; 128.905,33.528 128.957,33.58 U10.15@131.127,33.58 135.595,33.58 136.912,32.264 ; 129.59,40.59 131.117,40.59 U10.1@131.127,40.58 131.791,40.58 131.866,40.505 131.953,40.505 132.334,40.124 132.334,38.735 ; U10.11@131.127,35.58 U10.10@131.127,36.08 131.791,36.08 131.866,36.155 131.953,36.155 132.334,36.536 132.334,38.735 ; U10.5@131.127,38.58 132.091,38.58 132.119,38.608 132.207,38.608 132.334,38.735 ; v1(134.366,57.023) U13.7@136.779,57.023 141.605,57.023 142.24,56.388 142.621,56.388 ; U10.25@136.902,31.305 136.912,31.315 136.912,32.264 ; 138.684,44.196 138.684,44.148 139.402,43.43 U10.51@139.402,42.355 ; U10.35@142.177,34.08 138.728,34.08 136.912,32.264 ; U10.47@142.177,40.08 144.855,40.08 144.907,40.132 ; U13.18@144.579,54.423 144.56,54.442 143.043,54.442 142.832,54.653 142.621,54.864 142.621,56.388 ; U13.21@144.579,56.373 144.564,56.388 142.621,56.388 ; U13.25@144.579,58.973 142.82,58.973 142.621,59.172 ; U13.26@144.579,59.623 142.808,59.623 142.621,59.436 142.621,59.172 ; 154.432,41.148 154.524,41.056 USB2.5@158.182,41.056 ; USB1.5@159.426,9.479 161.242,9.479 161.442,9.279 164.646,9.279 164.765,9.398 v1(164.846,9.398) ; 142.621,56.388 142.621,59.172
  Top Layer w0.5: P1.5@7.874,101.6 11.454,101.6 18.185,108.331 ; U8.1@32.512,139.319 U8.2@32.512,138.049 U8.3@32.512,136.779 U8.4@32.512,135.509 32.512,134.659 32.805,134.366 39.072,134.366 39.264,134.558 45.531,134.558 ; P2.18@34.544,164.465 41.595,164.465 42.514,165.384 50.854,165.384 LCD1.1@53.304,162.934 ; U8.7@40.128,138.049 42.04,138.049 45.531,134.558 ; v1(45.974,135.001) 45.531,134.558 ; U15.5@78.404,21.463 80.391,21.463 v1(80.645,21.209) ; D9.3@96.325,22.606 98.933,22.606 v1(102.616,18.923) ; v1(123.19,32.893) 123.698,32.893 124.079,32.512 125.984,32.512 127,33.528 128.905,33.528 ; D7.1@129.54,90.805 133.604,90.805 134.366,90.043 137.608,90.043 U14.5@137.637,90.072 140.931,90.072 141.224,90.365 141.224,93.091 140.843,93.472 U14.3@137.637,93.472 ; 129.59,40.59 129.413,40.767 129.413,45.466 133.35,49.403 138.684,49.403 ; 138.684,44.196 138.684,49.403 ; 142.832,54.653 138.684,50.505 138.684,49.403 ; 144.907,40.132 147.434,42.659 U12.5@147.434,44.45 151.13,44.45 154.432,41.148
  Bottom Layer w0.2: C35.1@29.845,77.114 v1(29.845,78.74) ; v1(105.283,78.994) 109.601,78.994
  Bottom Layer w0.5: S6.1@5.969,125.857 8.257,125.857 11.863,122.25 C29.2@11.963,122.25 12.063,122.25 13.41,120.904 13.462,120.904 14.224,120.142 v1(14.224,118.24) ; v1(23.876,123.952) 26.416,123.952 26.924,123.444 ; C21.1@27.305,128.524 C22.2@30.48,128.524 30.518,128.486 35.75,128.486 C23.2@35.789,128.448 C24.2@40.234,128.448 ; v1(28.321,118.491) 26.924,119.888 26.924,123.444 ; C35.1@29.845,77.114 C36.1@33.401,77.114 ; C38.1@29.947,84.531 29.972,84.506 33.376,84.506 C37.1@33.401,84.48 33.733,84.148 34.851,84.148 36.068,82.931 v1(36.068,81.745) ; R10.1@37.973,121.26 37.873,121.26 35.485,123.647 C15.1@31.471,123.647 C16.2@28.6,123.647 28.397,123.444 26.924,123.444 ; v1(45.974,135.001) 46.66,135.687 C30.2@47.981,135.687 ; C74.2@61.062,3.353 61.1,3.315 65.748,3.315 C73.2@65.786,3.277 68.502,3.277 J2.5@77.948,12.723 80.645,15.42 v1(80.645,21.209) ; C40.2@79.858,33.96 79.921,33.896 84.874,33.896 C39.2@84.938,33.833 85.065,33.96 101.194,33.96 C34.2@106.02,33.96 114.783,33.96 C46.2@114.91,34.087 115.01,34.087 116.203,32.893 v1(123.19,32.893) ; v1(102.616,18.923) 104.013,18.923 C72.2@104.14,19.05 ; S7.2@104.013,96.012 105.766,97.765 R47.2@105.766,104.191 ; C20.1@106.807,86.258 108.56,86.258 109.601,85.217 109.601,78.994 ; v1(134.366,57.023) 133.223,58.166 133.223,62.484 137.468,66.729 141.155,66.729 145.749,71.323 C53.2@160.172,71.323 160.21,71.361 164.427,71.361 C54.2@164.465,71.399 ; R23.1@137.033,81.585 137.122,81.674 141.63,81.674 151.168,81.674 R30.1@151.257,81.763 ; R16.2@148.057,123.622 148.095,123.66 152.87,123.66 R12.2@152.908,123.698 153.008,123.698 156.31,120.396 165.735,120.396 P7.1@165.862,120.523 ; v1(164.846,9.398) 164.973,9.398 167.767,12.192 167.767,20.93 166.058,22.639 166.058,22.739 165.708,23.089 R42.2@165.608,23.089
GNDA: C26.1 F2.2 | length 29.6
  Top Layer w0.5: v1(48.569,116.87) 48.569,118.318 F2.2@48.666,118.415
  Bottom Layer w0.5: C26.1@21.361,114.859 24.054,114.859 25.27,116.075 47.774,116.075 v1(48.569,116.87)
GREEN0: R14.2 U4.AC12 | length 56.9
  Top Layer w0.254: U4.AC12@55.389,94.615 55.389,94.67 55.534,94.814 v1(55.534,94.869) ; v1(62.865,108.458) 62.9,108.493 62.9,112.233 58.801,116.332 58.801,128.524 65.659,135.382 v1(68.961,135.382)
  Bottom Layer w0.254: v1(55.534,94.869) 55.534,106.715 56.179,107.36 60.297,107.36 61.464,108.527 62.164,108.527 62.233,108.458 v1(62.865,108.458) ; R14.2@68.936,137.211 68.961,137.185 v1(68.961,135.382)
GREEN1: R11.2 U4.AB12 | length 50.6
  Top Layer w0.254: U4.AB12@56.389,94.615 56.445,94.615 56.632,94.802 v1(56.688,94.802) ; v1(58.421,106.329) 60.101,106.329 61.2,107.428 61.377,107.428 v1(61.825,107.875) ; v1@61.722,107.95 61.722,112.268 57.658,116.332 57.658,128.27 v1(64.516,135.128)
  Bottom Layer w0.254: v1(56.688,94.802) 56.688,96.512 56.627,96.573 56.627,98.41 58.474,100.257 58.474,101.092 58.421,101.145 v1(58.421,106.329) ; R11.2@64.491,137.211 64.516,137.185 v1(64.516,135.128)
GREEN2: R9.2 U4.AB14 | length 52.5
  Top Layer w0.254: U4.AB14@56.389,92.615 56.484,92.71 v1(56.515,92.71) ; v1(59.402,108.65) 59.427,108.674 60.033,108.674 61.087,109.728 61.087,111.76 56.007,116.84 56.007,130.81 v1(59.563,134.366)
  Inner Layer1 w0.254: v1(56.515,92.71) 56.515,92.777 56.653,92.914 56.653,93.041 56.754,93.142 56.754,94.052 57.265,94.563 57.265,95.83 56.627,96.468 56.627,107.681 57.596,108.65 v1(59.402,108.65)
  Bottom Layer w0.254: v1(59.563,134.366) 60.554,135.357 R9.2@60.554,137.211
GREEN3: R8.2 U4.AB15 | length 51.2
  Top Layer w0.254: v1(56.388,91.694) U4.AB15@56.389,91.615 U4.AB15@56.389,91.615 ; v1(57.404,135.001) 56.769,135.001 55.499,133.731 55.499,116.459 59.896,112.062 59.896,111.847 59.367,111.318 v1(59.367,111.304)
  Inner Layer1 w0.254: v1(56.388,91.694) 56.838,92.144 57.527,92.144 58.997,93.614 58.997,97.292 58.997,106.089 59.081,106.173 59.081,107.151 59.304,107.373 59.675,107.373 59.986,107.684 59.986,109.669 59.367,110.288 v1(59.367,111.304)
  Bottom Layer w0.254: R8.2@57.379,137.211 57.404,137.185 v1(57.404,135.001)
HSYNC: R6.1 U4.AH19 | length 111.3
  Top Layer w0.254: U4.AH19@50.389,87.615 50.397,87.622 50.665,87.622 v1(50.673,87.63) ; v1(70.211,108.25) 70.278,108.25 70.61,108.582 71.202,108.582 71.528,108.908 73.062,108.908 73.073,108.897 74.607,108.897 78.559,112.849 84.782,112.849 85.217,113.284 85.217,123.444 90.732,128.959 90.732,153.416 88.065,156.083 v1(77.978,156.083)
  Inner Layer2 w0.254: v1(50.673,87.63) 50.72,87.677 50.72,88.241 51.024,88.545 51.024,89.023 50.639,89.408 50.408,89.408 50.354,89.353 49.876,89.353 49.538,89.691 49.538,90.246 49.819,90.527 49.819,92.314 49.784,92.35 49.784,92.853 49.715,92.922 49.715,94.727 56.27,101.282 61.227,101.282 68.195,108.25 v1(70.211,108.25)
  Bottom Layer w0.254: R6.1@76.683,154 76.683,155.423 77.343,156.083 v1(77.978,156.083)
I/O_P79_GCLK0: OSC1.3 U4.Y21 | length 24.2
  Top Layer w0.254: U4.Y21@58.389,85.615 58.389,85.668 58.601,85.879 v1(58.601,85.932) ; v1(80.01,85.852) 82.042,85.852 OSC1.3@82.296,85.598
  Inner Layer1 w0.254: v1(58.601,85.932) 79.756,85.932 79.789,85.899 79.963,85.899 v1(80.01,85.852)
INIT_B: R28.1 U4.AB21 U4.W9 U7.8 | length 80.2
  Top Layer w0.254: U4.AB21@56.389,85.615 56.415,85.615 56.571,85.771 v1(56.596,85.771) ; U4.W9@59.389,97.615 59.49,97.615 v1(59.574,97.531) ; v1(67.564,74.93) 67.691,74.93 69.977,72.644 86.868,72.644 v1(91.694,67.818) 91.694,76.073 92.787,77.166 96.724,77.166 97.409,77.851 97.409,79.502 96.824,80.087 U7.8@95.121,80.087
  Bottom Layer w0.254: v1(56.596,85.771) 56.642,85.725 57.589,85.725 ; v1(59.574,97.531) 59.574,89.419 58.039,87.884 58.039,86.175 57.589,85.725 ; v1(67.564,74.93) 67.564,80.151 60.974,86.741 59.944,86.741 59.392,86.189 59.392,85.907 58.84,85.355 57.959,85.355 57.589,85.725 ; R28.1@91.669,66.497 91.694,66.523 v1(91.694,67.818)
IO0: U4.AG15 U9.7 | length 28
  Top Layer w0.254: U9.7@26.808,84.15 28.305,84.15 28.381,84.074 v1(28.448,84.074) ; v1(51.181,91.44) 51.198,91.44 51.373,91.615 U4.AG15@51.389,91.615
  Inner Layer1 w0.254: v1(28.448,84.074) 35.487,84.074 35.756,84.343 41.49,84.343 46.301,89.154 46.609,89.154 47.117,89.662 48.26,89.662 48.768,90.17 49.538,90.17 49.827,90.459 49.827,90.832 50.435,91.44 v1(51.181,91.44)
IO1: U4.AF15 U9.8 | length 30.8
  Top Layer w0.254: U9.8@26.808,83.35 28.197,83.35 28.3,83.247 v1(28.367,83.247) ; v1(52.324,91.556) 52.33,91.556 U4.AF15@52.389,91.615
  Inner Layer1 w0.254: v1(28.367,83.247) 27.871,83.743 27.871,84.313 28.209,84.651 35.302,84.651 35.448,84.797 41.302,84.797 46.845,90.34 47.606,90.34 48.604,91.338 49.403,91.338 49.428,91.313 49.666,91.313 50.365,92.012 50.89,92.012 50.895,92.017 51.42,92.017 51.834,91.603 52.277,91.603 v1(52.324,91.556)
IO2: U4.AF17 U9.9 | length 39
  Top Layer w0.254: U9.9@26.808,82.55 v1(28.575,82.55) ; U4.AF17@52.389,89.615 52.451,89.553 v1(52.451,89.408)
  Bottom Layer w0.254: v1(28.575,82.55) 28.575,82.617 28.92,82.961 28.92,83.082 29.111,83.274 34.433,83.274 34.798,82.909 34.798,81.815 35.899,80.714 36.307,80.714 36.757,80.264 37.719,80.264 39.043,81.588 42.905,81.588 45.754,84.437 45.822,84.437 46.958,85.573 46.958,86.055 47.516,86.614 48.581,86.614 48.756,86.789 49.234,86.789 49.409,86.614 50.481,86.614 51.069,87.202 52.063,87.202 52.339,86.926 54.527,86.926 55.372,87.771 55.372,88.646 54.933,89.085 52.841,89.085 52.518,89.408 v1(52.451,89.408)
IO3: U4.AF18 U9.10 | length 39.3
  Top Layer w0.254: U9.10@26.808,81.75 26.826,81.768 28.054,81.768 28.176,81.891 v1(28.23,81.891) ; U4.AF18@52.389,88.615 52.431,88.657 v1(52.451,88.657)
  Inner Layer1 w0.254: v1(47.368,84.837) 47.428,84.837 48.226,85.635 49.367,85.635 49.765,86.033 50.648,86.033 50.663,86.048 51.637,86.048 51.861,85.824 53.094,85.824 53.323,86.052 54.556,86.052 55.299,86.795 55.299,88.404 54.618,89.085 52.944,89.085 52.516,88.657 v1(52.451,88.657)
  Bottom Layer w0.254: v1(28.23,81.891) 28.23,81.211 28.321,81.12 28.321,80.899 29.396,79.824 29.908,79.824 31.11,81.026 32.131,81.026 33.597,79.56 37.465,79.56 37.476,79.571 41.598,79.571 43.77,81.743 43.77,81.811 45.942,83.983 46.514,83.983 v1(47.368,84.837)
IO4: U4.AE15 U9.13 | length 41.9
  Top Layer w0.254: U9.13@26.808,79.35 26.821,79.362 28.816,79.362 v1(28.829,79.375) ; v1(53.213,91.821) 53.213,91.806 53.389,91.63 U4.AE15@53.389,91.615
  Inner Layer1 w0.254: v1(28.829,79.375) 28.287,79.917 27.912,79.917 27.417,80.413 27.417,85.14 28.082,85.805 28.606,85.805 28.813,85.598 29.845,85.598 30.681,86.434 32.184,86.434 32.893,85.725 37.592,85.725 39.37,87.503 39.37,88.361 40.798,89.789 44.173,89.789 46.534,92.15 46.534,93.218 46.872,93.556 47.297,93.556 48.117,94.376 49.842,94.376 50.18,94.038 50.531,94.038 50.869,93.7 50.869,93.594 51.049,93.414 51.42,93.414 51.758,93.076 51.758,92.71 51.747,92.699 51.747,92.471 52.085,92.133 52.834,92.133 53.146,91.821 v1(53.213,91.821)